# Altium PCB hellen1-72.PcbDoc (part 2 of 3)
Units mm, origin at the board's own origin, x right, y up, seen from the top; angles counter-clockwise.
Board outline 154 x 159 mm, 2 copper layers (Top Layer, Bottom Layer), stack 1.171 mm thick; 138 components, 222 nets, 1020 pads, 542 vias.
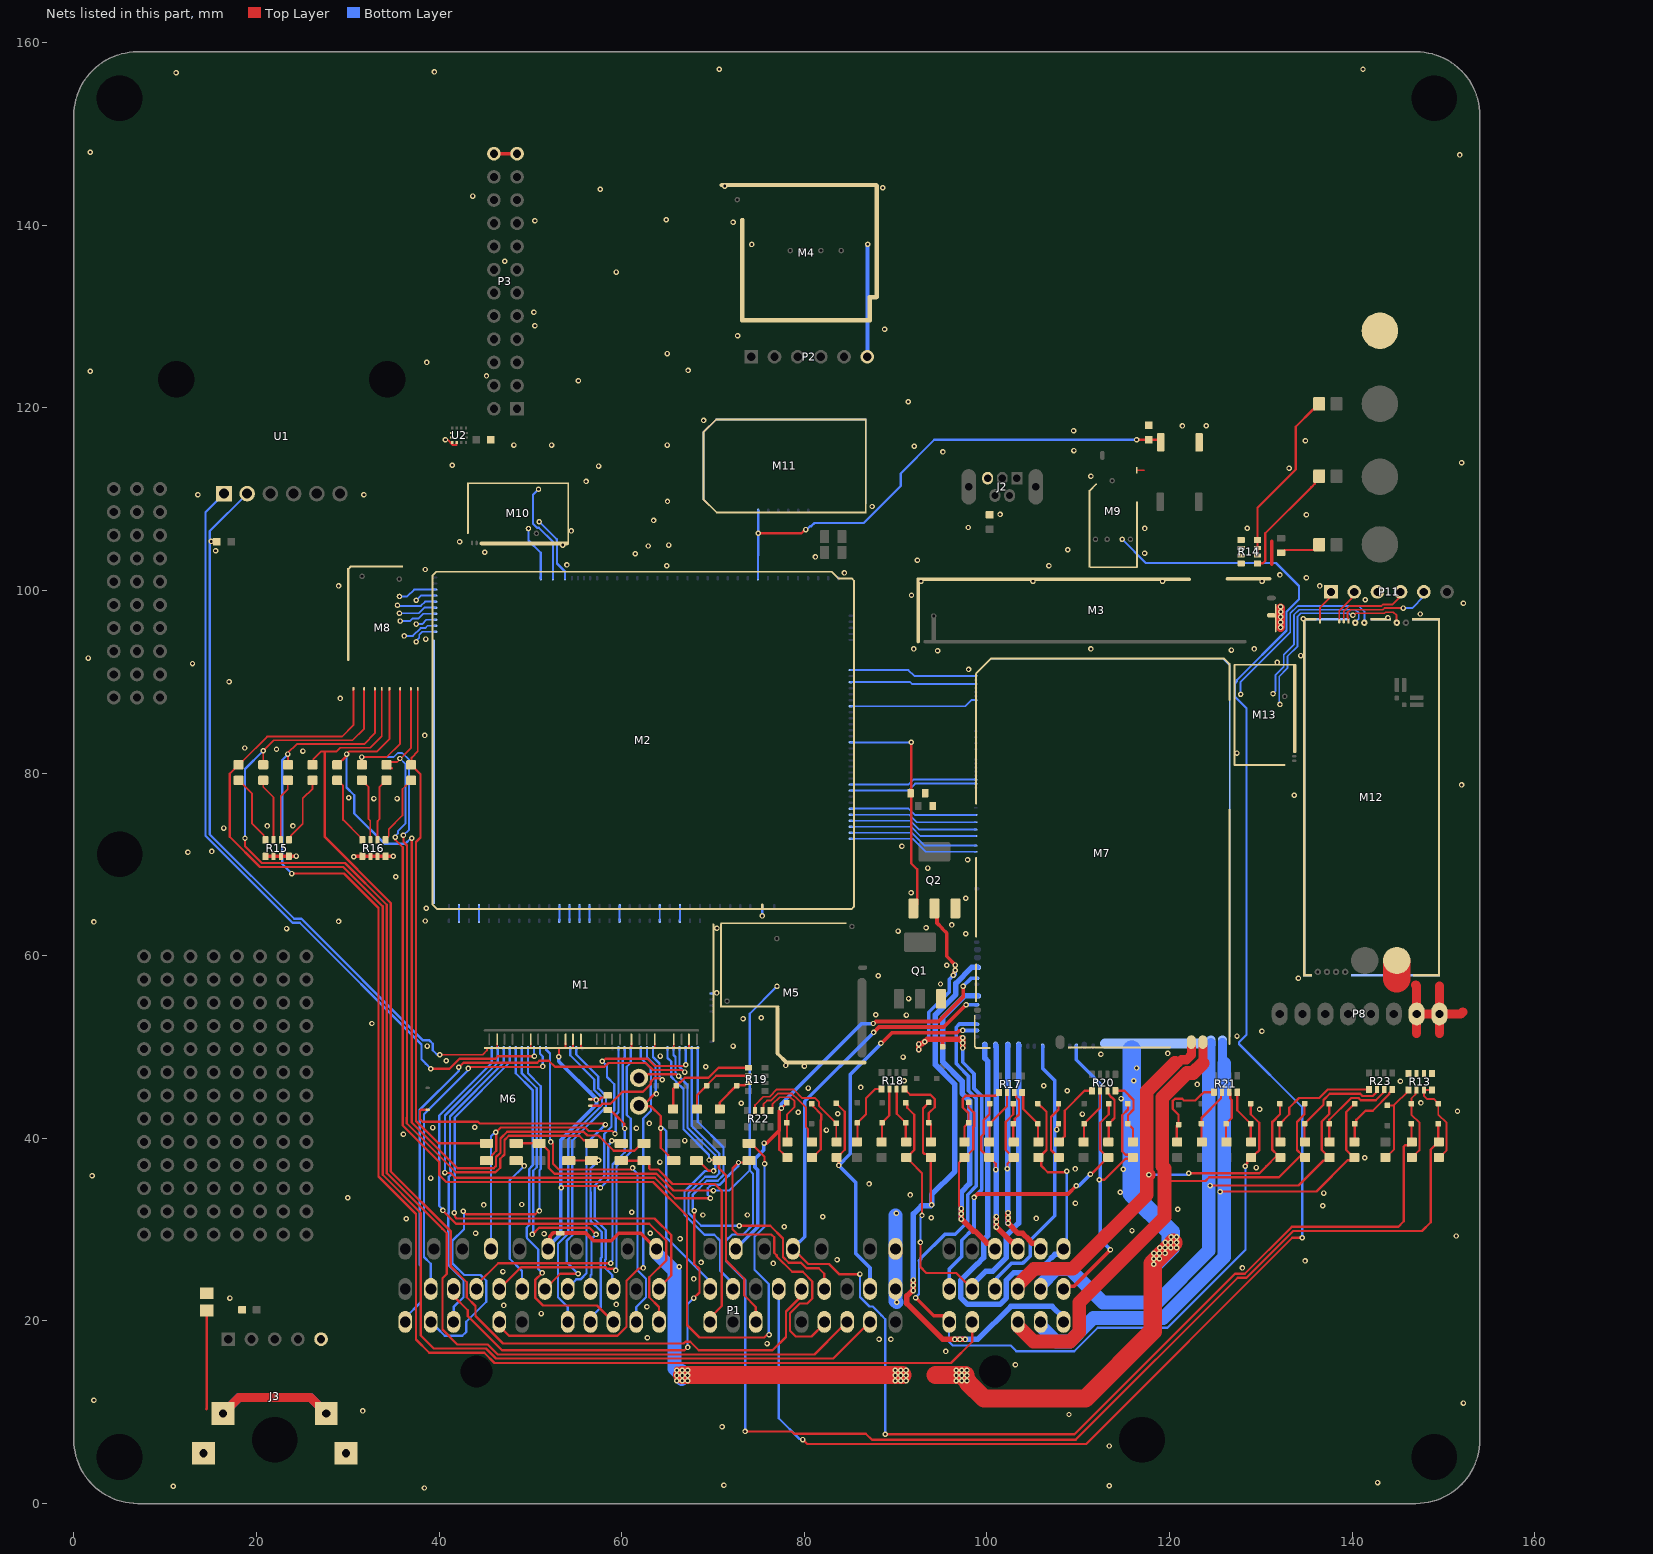
[diagram p2: the nets of this part, all layers, seen from the top]

## Via types
v1: diameter 0.6, hole 0.3, Top Layer to Bottom Layer, tented both sides, 542 vias

## Nets (pads, with @x,y where several pads share a name; then routed paths per layer and width w, separated by ;. In a path a pad name is that pad's centre, name@x,y a point inside that pad or via, vN(x,y) a via of type N, cw(c..) or ccw(c..) an arc to the next point about the centre after c; other vN are vias at no path point) (continued)
GND: C1.2 C2.1 C4.2 C5.1 J1.1 J2.5 J3.5 L1.1 M1.E1 M2.S2 M3.G M4.G M4.V2 M4.V3 M5.S1 M7.G M7.S3 M8.G M9.E1 M9.S1 M10.E1 M11.G M12.E6 M12.G M13.E1 P1.3A P1.3B P1.4A P2.6 P3.23 P3.24 P7.1 P8.1 P8.2 P11.3 Q1.3 Q2.3 R13.5 R13.6 R13.7 R13.8 R14.5 R14.6 R14.7 R14.8 R15.5 R15.6 R15.7 R15.8 R16.5 R16.6 R16.7 R16.8 R27.2 R28.2 S2.2 U2.5 U2.6 U2.7 U2.8 | length 183.4
  Top Layer w0.2: v1(40.7,116.5) 40.94,116.5 41.52,115.92 41.92,115.92 U2.8@41.92,116.17 ; M9.E1@116.42,113.175 117.25,113.175
  Top Layer w0.4: R15.5@20.999,70.886 R15.6@21.874,70.886 R15.7@22.674,70.886 R15.8@23.549,70.886 23.574,70.911 v1(24.374,70.911) ; v1(30.674,70.836) 30.724,70.886 R16.5@31.599,70.886 R16.6@32.474,70.886 R16.7@33.274,70.886 R16.8@34.149,70.886 v1(34.974,70.886) v1@34.999,70.861 ; P3.24@46.01,147.84 P3.23@48.55,147.84 ; J1.1@53.475,29.625 56.075,29.625 56.5,29.2 56.5,29.185 56.91,28.775 58.85,28.775 59.675,29.6 62.1,29.6 63.14,28.56 63.292,28.56 63.8,28.052 P1.4A@63.8,27.9 ; 131.2,102.875 131.2,105.373 ; v1@132.2,98.225 132.2,97.669 v1@132.21,97.659
  Top Layer w0.6: v1@66.05,13.575 v1(66.05,14.025) v1(66.05,14.6) v1@66.05,14.725 ; v1@66.65,13.575 v1(66.65,14.025) 66.65,14.075 v1(66.65,14.6) v1@66.65,14.725 ; v1@67.225,13.575 v1(67.225,14.025) 67.225,14.075 v1(67.225,14.6) v1@67.225,14.725 ; v1@91.05,13.575 v1@91.05,14.725 ; v1@96.65,13.575 v1(96.65,14.025) 96.65,14.075 v1(96.65,14.6) v1@96.65,14.725 ; v1@97.25,13.575 v1(97.25,14.025) 97.25,14.075 v1(97.25,14.6) v1@97.25,14.725 ; v1@97.825,13.575 v1(97.825,14.025) v1(97.825,14.6) v1@97.825,14.725
  Top Layer w1: v1@132.15,95.975 132.15,96.975 v1@132.15,98.075 ; 146.975,56.8 147.075,56.7 P8.2@147.075,53.625 ; 147.075,51.5 P8.2@147.075,53.625 ; 149.575,51.5 P8.1@149.575,53.625 ; 149.575,56.7 P8.1@149.575,53.625 ; 152.125,53.85 151.9,53.625 P8.1@149.575,53.625 ; P8.2@147.075,53.625 P8.1@149.575,53.625
  Top Layer w1.5: P1.3A@90,27.45 P1.3A@90,27.9
  Top Layer w2: v1@66.65,14.075 67.225,14.075 89.975,14.075 v1@90.75,14.075 ; 94.4,14.075 96.65,14.075 97.25,14.075 v1@97.675,14.075 ; v1(97.25,14.025) v1(97.825,13.45) 97.95,13.325 97.95,13.228 99.678,11.5 110.801,11.5 118.175,18.874 118.175,26.3 v1@120.425,28.55 ; M12.E6@144.9,59.475 M12.E6@145.091,59.284
  Top Layer w3: 144.891,57.459 M12.E6@144.891,59.309
  Bottom Layer w0.25: M1.E1@69.85,55.858 70.358,55.858 v1(70.425,55.925) ; v1(75.4,64.35) 75.405,64.355 M2.S2@75.405,65.323
  Bottom Layer w0.4: P2.6@86.927,125.6 M4.V3@86.927,137.909
  Bottom Layer w1.5: P1.4A@63.8,27.9 63.8,27.45 65.8,25.45 65.8,14.775 v1@66.05,14.525 ; v1@66.6,13.637 v1@66.6,14.525 ; P1.3A@90,27.45 P1.3B@90,23.5 90,22.176 90.126,22.05 v1(90.126,22.045) ; P1.3A@90,27.9 v1@90,31.549
  Bottom Layer w2: 115.875,49.725 115.875,44.35 115.875,33.975 120.15,29.7 v1(120.15,28.6) 120.15,28.075 v1(118.275,26.2)
  other v1: 38.4,1.7 10.9,1.9 113.4,1.95 71.2,2 142.8,2.3 113.4,6.3 71,8.4 109,9.75 31.661,10.144 152.2,11 2.2,11.3 66.05,13.45 66.65,13.45 67.225,13.45 89.975,13.45 90.575,13.45 91.15,13.45 96.65,13.45 97.25,13.45 89.975,14.025 90.575,14.025 91.15,14.025 89.975,14.6 90.575,14.6 91.15,14.6 103.136,15.196 95.505,16.658 75.925,17.525 88.2,18 89.5,18 62.825,18.15 51.2,20.8 62.775,21.55 47.1,21.7 59.4,21.8 17.1,22.5 67.9,24.6 47,25.4 128,25.8 66.3,25.925 76.6,26.3 68.7,26.4 134.85,26.575 83.6,26.7 118.275,26.8 118.9,26.8 118.3,27.4 118.9,27.4 119.525,27.4 118.925,28 119.525,28 120.15,28 120.775,28 119.55,28.6 120.775,28.6 66.4,29 120.175,29.2 120.775,29.2 151.425,29.3 51.5,29.55 44,29.6 63.125,29.6 115.9,29.9 77.8,30.3 36.4,31.2 105.425,31.225 93.9,31.3 82.025,31.4 68.9,31.6 73.775,31.6 90.1,31.8 61.1,31.9 120.9,32.225 136.8,32.6 44.9,32.7 49.075,32.75 109.7,32.9 30,33.5 91.625,33.8 136.9,34 114.6,34.1 87.1,35 39.1,35.65 2,35.9 114.95,36.625 109.675,36.65 129.5,36.8 64.2,37.4 141.4,37.875 66.925,39.75 36.1,40.45 82.431,40.899 61.625,41.1 39.325,41.175 43.9,41.2 63.025,41.625 110.475,42.65 83.675,42.7 79.35,42.85 151.55,42.975 129.875,43.175 73.104,43.827 147.55,43.875 114.7,44.35 108.8,45.2 80.45,45.5 86.2,45.575 106.225,45.75 123.05,45.9 145.3,46.25 90.95,46.3 116.1,46.3 116.4,47.7 69.225,47.85 80.025,47.9 77.975,47.975 40.8,48.5 90.825,48.9 64.228,49.002 112.5,49.2 119.825,49.3 38.7,50.1 72.2,50.1 127.4,51.2 130.125,51.725 32.65,52.575 73.3,53.1 75.3,53.2 91.2,53.5 87.825,53.525 91.429,55.303 94.925,56.9 134.125,57.525 88.1,57.8 95.6,58.95 97.7,62.4 90.275,62.7 23.3,62.975 70.44,63.02 93.35,63.075 96.15,63.375 2.2,63.7 29,63.75 38.5,63.8 38.6,65.2 97.7,66.3 91.7,66.9 35.275,68.65 93.525,69.6 97.894,70.504 12.5,71.325 15.1,71.425 90.7,72 16.425,73.975 21.199,74.211 23.999,74.211 32.874,77.211 35.399,77.211 30.099,77.311 133.675,77.575 152,78.7 127.4,82.2 25.099,82.411 22.199,82.611 18.725,82.75 38.425,84.125 29.175,88.175 17,90 98,91.35 13,92 131.8,92.125 1.59,92.6 134.375,92.875 94.6,93.4 126.795,93.475 92,93.6 111.4,93.6 129.3,93.6 38.55,94.675 132.175,95.95 132.175,96.525 134.65,96.9 143.925,97.025 132.175,97.1 147.475,97.425 132.185,97.659 132.175,98.225 152.2,98.6 141.45,98.975 91.75,99.475 29,100.5 136.45,100.5 135,101.4 132.1,101.7 84.4,101.925 38.5,102.3 64.95,102.7 106.8,102.7 54.015,102.801 92.4,103.3 81.225,103.675 61.5,104.025 117.275,104.075 45,104.2 15.525,104.35 108.875,104.45 62.921,104.872 53.55,104.975 65.175,104.975 42.25,105.35 54.475,106.525 117.3,106.8 128.531,106.805 97.975,106.9 63.5,107.675 135,108.3 101.45,108.325 87.425,109.2 65.025,109.75 13.6,110.5 31.775,110.5 56.1,111.95 111.4,112.5 133.1,113.4 57.475,113.625 41.454,113.719 152,114 95.189,115.171 109.543,115.323 92.049,115.802 48.2,115.925 52.325,115.925 65,115.925 134.9,116.4 109.5,117.5 121.425,118.025 124.025,118.05 68.975,118.625 91.4,120.675 55.275,122.975 45.2,123.5 1.8,124 67.275,124.1 38.65,124.975 65,125.95 72.7,127.9 88.8,128.6 50.5,129 50.4,130.475 59.4,134.875 47.186,136.055 72.2,140.325 50.5,140.5 64.9,140.6 43.7,143.2 57.65,143.95 88.6,144.1 71.3,144.3 151.8,147.7 1.8,148 11.2,156.7 39.5,156.8 70.699,157.092 141.2,157.1
GNDA: C3.2 J1.2 M1.J2 M1.J4 M1.J8 M1.J12 M1.J13 M1.J14 M1.J19 M1.J22 M1.J23 M1.J25 M1.N2 M2.S32 M6.E2 P1.4O R6.2 R12.1 U1.2 | length 140.3
  Top Layer w0.2: v1(40.075,49.15) 44.775,49.15 45.245,49.62 45.245,49.877 45.269,49.9 M1.J2@56.72,49.9 ; M1.J2@46.37,49.925 M1.J4@46.37,50.45 ; M1.J2@50.045,49.925 M1.J8@50.045,50.45 ; v1(53.125,48.925) M1.J2@53.125,49.9 ; M1.J2@53.87,49.925 M1.J12@53.87,50.45 ; M1.J2@54.67,49.925 M1.J13@54.67,50.45 ; M1.J2@55.545,49.925 M1.J14@55.545,50.45 ; M1.J2@61.07,49.925 M1.J19@61.07,50.45 ; M1.J2@63.62,49.925 M1.J22@63.62,50.45 ; M1.J2@65.7,49.925 M1.J23@65.7,50.45 ; M1.J2@67.375,49.925 M1.J25@67.375,50.45
  Top Layer w0.25: v1(53.375,34.575) 53.47,34.575 53.67,34.775 57.387,34.775 57.583,34.578 v1(57.678,34.578) ; M6.E2@56.575,44.275 57.1,44.275 57.15,44.225 v1@57.475,44.225 ; v1@57.425,44.2 57.52,44.2 57.795,44.475 58.25,44.475 R12.1@58.475,44.7 ; v1(58.916,39.741) 58.958,39.7 59.7,39.7 R6.2@59.95,39.45
  Top Layer w0.4: v1(15.05,105.375) 15.063,105.362 15.647,105.362 C3.2@15.66,105.35 ; P1.4O@51.95,27.9 52.158,28.108 52.158,29.218 52.2,29.26 52.2,29.325 52.55,29.675 J1.2@52.825,29.675
  Bottom Layer w0.2: M1.N2@42.18,63.827 42.183,63.83 42.183,65.12 ; 42.185,65.123 42.183,65.12 ; M2.S32@42.185,65.423 42.183,65.42 42.183,65.12
  Bottom Layer w0.25: U1.2@18.99,110.6 14.875,106.485 14.875,73.314 24.139,64.05 24.925,64.05 38.25,50.725 38.959,50.725 39.325,50.359 39.325,49.65 39.758,49.217 40.008,49.217 v1(40.075,49.15) ; v1(57.678,34.578) 58.55,35.45 58.55,39.281 58.916,39.648 v1(58.916,39.741)
  Bottom Layer w0.4: P1.4O@51.95,27.9 51.95,28.148 53.35,29.548 53.35,39.854 57.241,43.745 57.241,44.283 v1@57.25,44.292 ; v1(53.125,48.925) 53.125,48.425 v1@57.25,44.3
  other v1: 57.225,44.2
IAT: M1.N15 M2.S19 | length 1.6
  Bottom Layer w0.2: M1.N15@56.483,63.83 M2.S19@56.483,65.42
IDLE: M2.E18 Q2.1 R28.1 | length 25.3
  Top Layer w0.25: v1@91.7,83.4 91.725,83.375 v1(91.725,83.365) 91.725,70.105 92.375,69.455 92.375,65.6 Q2.1@91.95,65.175
  Bottom Layer w0.2: M2.E18@85.102,83.365 v1@91.713,83.365
IGN1: M2.W1 M8.V8 | length 2.8
  Bottom Layer w0.2: M8.V8@37.5,94.375 37.5,94.483 37.833,94.817 37.833,95.158 38.155,95.48 M2.W1@39.575,95.48
IGN2: M2.W2 M8.V7 | length 3.8
  Bottom Layer w0.2: M8.V7@36.19,95.025 37.134,95.025 37.989,95.88 38.48,95.88 38.74,96.14 M2.W2@39.575,96.14
IGN3: M2.W3 M8.V6 | length 2.3
  Bottom Layer w0.2: M8.V6@37.5,96.325 38.15,96.325 38.625,96.8 M2.W3@39.575,96.8
IGN4: M2.W4 M8.V5 | length 4.2
  Bottom Layer w0.2: M8.V5@35.74,96.65 36.8,96.65 37.1,96.95 37.775,96.95 38.285,97.46 M2.W4@39.575,97.46
IGN5: M2.W5 M8.V4 | length 4.2
  Bottom Layer w0.2: M8.V4@35.665,97.5 37.759,97.5 38.379,98.12 M2.W5@39.575,98.12
IGN6: M2.W6 M8.V3 | length 4.3
  Bottom Layer w0.2: M8.V3@35.45,98.375 35.509,98.316 38.009,98.316 38.474,98.78 M2.W6@39.575,98.78
IGN7: M2.W7 M8.V2 | length 2.3
  Bottom Layer w0.2: M8.V2@37.5,98.925 38.015,99.44 M2.W7@39.575,99.44
IGN8: M2.W8 M8.V1 | length 4.2
  Bottom Layer w0.2: M8.V1@35.665,99.35 36.525,99.35 37.275,100.1 M2.W8@39.575,100.1
IN_AC_PRESS: M1.S17 P1.4F | length 39.9
  Top Layer w0.25: v1(52.25,39.6) 52.475,39.375 52.475,37.225 53.125,36.575 61.025,36.575 v1(61.2,36.75)
  Bottom Layer w0.25: M1.S17@51.715,49.865 51.715,49.716 52.15,49.281 52.15,39.907 52.183,39.874 52.183,39.667 v1(52.25,39.6) ; v1@61.2,36.675 61.745,36.13 61.745,25.55 62.675,24.62 62.675,22.605 61.6,21.53 P1.4F@61.6,19.9
IN_AFR: M1.S25 P1.3L R1.1 | length 84.9
  Top Layer w0.25: v1(40.65,36.25) 40.7,36.2 41.275,36.2 41.788,35.687 52.451,35.687 52.464,35.675 63.636,35.675 65.886,33.425 v1(69.725,33.425) ; R1.1@73.95,37.55 73.75,37.35 v1(72.8,37.35) 72.15,36.7 72.15,30.05 72.725,29.475 76.4,29.475 76.705,29.17 76.705,27.47 76.975,27.2 76.975,27.078 78.678,25.375 79.825,25.375 80.875,24.325 80.875,22.45 80.338,21.913 79.513,21.913 78.45,20.85 78.45,18.925 79.075,18.3 80.8,18.3 82.2,19.7 P1.3L@82.2,19.9
  Bottom Layer w0.25: v1(40.65,36.25) 40.65,42.489 46.435,48.274 M1.S25@46.435,49.865 ; v1(69.725,33.425) 69.725,33.52 69.425,33.82 69.425,34.534 69.791,34.9 70.175,34.9 70.707,34.9 71.72,35.913 72.761,36.955 72.761,37.311 v1(72.8,37.35)
IN_BRAKE: M1.S23 P1.4B | length 52
  Top Layer w0.25: v1(41.677,31.852) 41.744,31.785 41.744,31.406 41.925,31.225 63.6,31.225 65.45,29.375 65.45,25 64.1,23.65 P1.4B@64.1,23.5
  Bottom Layer w0.25: v1(41.677,31.852) 41.725,31.9 41.725,42.291 47.755,48.321 M1.S23@47.755,49.865
IN_CAM: M1.S5 P1.3V P9.1 R3.1 | length 40.6
  Top Layer w0.25: P9.1@61.27,46.525 61.772,47.027 61.84,46.96 62.834,46.96 62.902,47.027 65.924,47.027 66.137,46.815 v1(66.231,46.815) ; R3.1@68.2,37.55 68.425,37.55 69.525,36.45 70.05,36.45 v1(70.075,36.425)
  Bottom Layer w0.25: M1.S5@65.689,49.865 65.689,49.111 65.899,48.901 65.899,47.147 v1(66.231,46.815) 67.219,45.827 67.219,41.167 70.25,38.136 70.25,36.695 v1@70.075,36.52 ; v1(70.075,36.425) 69.139,36.425 66.875,34.161 66.875,31.639 68.539,29.975 69.089,29.425 70.145,29.425 70.775,28.795 70.775,25.525 72.2,24.1 P1.3V@72.2,23.5
IN_CLT: M1.S15 P1.4P | length 32.7
  Top Layer w0.25: P1.4P@51.6,23.5 51.6,23.612 52.177,24.189 52.289,24.189 53.275,25.175 v1(55.225,25.175)
  Bottom Layer w0.25: M1.S15@55.021,49.865 55.021,49.179 57.453,46.747 57.453,45.492 58.3,44.645 58.3,43.425 54.6,39.725 54.6,29.39 54.005,28.795 54.005,26.395 v1(55.225,25.175)
IN_CLUTCH: M1.S22 P1.4I | length 39.1
  Top Layer w0.25: v1(51.3,25.25) 50.525,24.475 50.525,22.575 51.4,21.7 57.3,21.7 58.411,20.589 58.523,20.589 59.1,20.012 P1.4I@59.1,19.9
  Bottom Layer w0.25: M1.S22@48.415,49.865 48.415,47.124 50.252,45.286 50.252,37.019 49.875,36.641 49.875,30.5 49.6,30.225 49.6,29.216 49.643,29.173 49.643,29.047 50.875,27.815 50.875,25.675 v1(51.3,25.25)
IN_CRANK: M1.S8 P1.3Y P10.1 R4.1 | length 36.5
  Top Layer w0.25: v1@63.814,44.966 63.719,44.966 62.328,43.575 P10.1@61.895,43.575 61.973,43.497 63.22,43.497 64.275,42.442 v1(64.275,41.1) 64.275,38.975 65.1,38.15 65.1,37.925 65.475,37.55 R4.1@65.7,37.55
  Bottom Layer w0.25: M1.S8@62.768,49.865 62.768,48.867 63.7,47.935 63.7,46.518 63.747,46.47 63.747,44.933 v1(63.814,44.866) ; v1(64.275,41.1) 64.423,41.248 64.875,40.795 64.875,29.15 69.352,24.673 69.352,24.636 69.7,24.288 P1.3Y@69.7,23.5
IN_EGR: M1.S20 P1.4AE | length 49.1
  Top Layer w0.25: v1@42.688,31.975 42.988,31.675 50.53,31.675 50.905,32.05 v1(51,32.05)
  Bottom Layer w0.25: P1.4AE@39.1,19.9 39.1,19.788 39.677,19.211 39.789,19.211 40.625,18.375 42.55,18.375 42.975,18.8 42.975,19.9 45.175,22.1 45.175,24.395 44.545,25.025 42.761,25.025 41.485,26.301 41.485,28.81 42.725,30.05 42.725,31.938 v1@42.6,32.062 ; M1.S20@49.735,49.865 49.735,47.115 51.152,45.698 51.152,36.646 51,36.493 v1(51,32.05)
  other v1: 42.663,32
IN_FTP_PPS: M1.S24 P1.4AB | length 33.7
  Bottom Layer w0.25: P1.4AB@41.6,19.9 41.6,21.53 42.675,22.605 42.675,24.475 41.025,26.125 41.025,31.816 41.052,31.843 41.052,35.768 41.275,35.991 41.275,36.509 41.2,36.584 41.2,42.402 47.095,48.297 M1.S24@47.095,49.865
IN_FUEL_LEVEL: M1.S18 P1.4AD | length 36.6
  Top Layer w0.25: v1(43.2,47.65) 43.295,47.65 43.445,47.8 51.043,47.8 51.051,47.808 51.283,47.808 v1(51.35,47.875)
  Bottom Layer w0.25: P1.4AD@39.1,23.5 39.1,26.26 38.355,27.005 38.355,42.643 43.163,47.45 v1@43.2,47.45 ; M1.S18@51.055,49.865 51.055,49.254 51.35,48.959 v1(51.35,47.875)
IN_IAT: M1.S16 P1.4N | length 33.9
  Bottom Layer w0.25: P1.4N@54.1,19.9 54.1,21.53 53.025,22.605 53.025,28.452 54.15,29.577 54.15,39.911 57.85,43.611 57.85,44.459 57.003,45.305 57.003,46.447 54.361,49.089 M1.S16@54.361,49.865
IN_KNOCK_RAW: M6.W1 P1.4M | length 42.1
  Top Layer w0.25: M6.W1@38.678,43.125 38.057,43.125 37.925,42.993 37.925,42.096 38.196,41.825 44.274,41.825 44.474,41.625 58.1,41.625 v1(58.225,41.5)
  Bottom Layer w0.25: P1.4M@54.1,23.63 55.02,24.55 55.484,24.55 56.155,25.221 56.155,33.945 56.153,33.946 56.153,35.21 56.153,39.428 v1(58.225,41.5)
IN_MAF: M1.S11 P1.4X R12.2 | length 43.5
  Top Layer w0.25: P1.4X@44.1,23.5 44.1,23.95 46.475,26.325 v1@58.7,26.325 ; R12.2@58.475,43.1 58.525,43.15 58.81,43.15 58.81,43.071 59.319,42.562 60.283,41.598 60.283,41.142 v1(60.35,41.075)
  Bottom Layer w0.25: v1@58.7,26.332 59,26.632 59,27.364 59,37.141 60.333,38.474 v1@60.333,41.075 ; M1.S11@60.327,49.865 60.327,48.877 60.117,48.667 60.117,41.382 60.35,41.149 v1(60.35,41.075)
  other v1: 58.8,26.325
IN_MAP2: M1.S12 P1.4U R11.1 | length 39.7
  Top Layer w0.25: R11.1@45.2,37.55 45.425,37.55 45.8,37.925 45.8,38.15 46.275,38.625 46.275,40.73 46.374,40.829 46.404,40.829 46.75,41.175 56.023,41.175 56.398,40.8 58.968,40.8 59.268,40.5 v1(59.275,40.5)
  Bottom Layer w0.25: P1.4U@45.69,27.9 45.69,40.226 46.125,40.661 v1@46.125,40.675 ; v1(59.275,40.5) 59.342,40.567 59.342,40.799 59.35,40.807 59.35,42.566 59.667,42.883 M1.S12@59.667,49.865
  other v1: 46.225,40.675
IN_MAP3: M1.S19 U1.1 | length 87.3
  Top Layer w0.25: v1(39.1,47.625) 41.141,47.625 42.241,48.725 46.173,48.725 46.423,48.975 v1(50.45,48.975)
  Bottom Layer w0.25: U1.1@16.45,110.6 14.425,108.575 14.425,73.127 23.952,63.6 24.739,63.6 38.075,50.264 38.075,48.65 38.561,48.164 v1(39.1,47.625) ; M1.S19@50.395,49.865 50.395,49.03 v1(50.45,48.975)
IN_NEUTRAL: M1.S3 P1.4H | length 38.8
  Top Layer w0.25: v1(57.875,48.45) 57.97,48.45 58.225,48.705 62.845,48.705 63.623,47.927 66.876,47.927 v1(67.02,48.071)
  Bottom Layer w0.25: v1(57.875,48.45) 58.4,47.925 58.4,46.725 59.2,45.925 59.2,43.052 58.9,42.752 58.9,41.275 58.1,40.475 58.1,35.884 57.053,34.837 57.053,34.319 57.055,34.317 57.055,31.14 58.275,29.92 58.275,26.784 58.175,26.684 58.175,25.816 58.966,25.025 58.966,23.634 P1.4H@59.1,23.5 ; M1.S3@67.009,49.865 67.009,48.688 67.025,48.672 v1@67.025,48.071
IN_O2S: M1.S9 P1.4W | length 47.6
  Top Layer w0.25: P1.4W@46.6,19.9 46.6,19.45 47.675,18.375 59.545,18.375 60.525,19.355 60.525,24.395 61.864,25.734 62.311,25.734 v1(62.378,25.801)
  Bottom Layer w0.25: M1.S9@62.108,49.865 62.108,48.792 63.189,47.711 63.189,47.205 63.22,47.174 63.22,45.878 63.189,45.847 63.189,44.155 63.22,44.124 63.22,43.026 62.365,42.171 62.365,25.815 v1(62.378,25.801)
IN_O2S2: M1.S1 P1.4AA | length 66.4
  Top Layer w0.25: P1.4AA@41.6,23.5 41.6,22.725 43.15,21.175 43.15,20.525 46.9,16.775 66.896,16.775 v1@67.298,17.177 ; v1(67.9,22.5) 68.525,23.125 68.525,25.691 67.954,26.262 v1(67.954,32.079)
  Bottom Layer w0.25: v1@67.375,17.1 67.221,17.254 67.221,21.821 v1(67.9,22.5) ; v1(67.954,32.079) 67.954,32.174 67.775,32.354 67.775,33.789 69.336,35.35 70.52,35.35 71.15,35.98 71.15,39 68.329,41.821 M1.S1@68.329,49.865
  other v1: 67.25,17.1
IN_SENS2: M1.S2 P1.3K | length 41.9
  Top Layer w0.25: v1(72.875,30.425) 76.275,30.425 77.685,29.015 77.685,27.005 78.315,26.375 79.649,26.375 80.249,25.775 81.6,25.775 82.2,25.175 P1.3K@82.2,23.5
  Bottom Layer w0.25: M1.S2@67.669,49.865 67.669,41.354 70.7,38.323 70.7,37.35 70.7,36.684 70.7,36.166 70.334,35.8 69.15,35.8 67.325,33.975 67.325,31.825 68.725,30.425 v1(72.875,30.425)
IN_SENS4: M1.S4 P1.4AH | length 59.2
  Top Layer w0.25: v1(42.175,47.775) 42.675,48.275 50.75,48.275 50.975,48.5 52.03,48.5 52.705,47.825 58.134,47.825 58.564,48.255 62.645,48.255 63.423,47.477 66.596,47.477 66.821,47.252 v1(66.903,47.252)
  Bottom Layer w0.25: P1.4AH@36.3,19.9 36.3,20.35 38.025,22.075 38.025,26.003 37.905,26.123 37.905,43.141 42.175,47.411 v1(42.175,47.775) ; M1.S4@66.349,49.865 66.349,47.807 v1(66.903,47.252)
IN_STEERING: M1.S26 P1.4C | length 56.3
  Top Layer w0.25: v1(40.425,32.1) 40.425,32.075 41.85,30.65 63.02,30.65 64.875,28.795 64.875,26.625 63.025,24.775 63.025,22.605 64.1,21.53 P1.4C@64.1,19.9
  Bottom Layer w0.25: v1(40.425,32.1) 40.425,32.184 40.025,32.584 40.025,42.5 45.775,48.25 M1.S26@45.775,49.865
IN_TPS: M1.S10 P1.4V | length 39.3
  Top Layer w0.25: P1.4V@46.6,23.5 46.6,23.612 47.177,24.189 47.289,24.189 48.975,25.875 58.266,25.875 58.441,25.7 59.08,25.7 59.255,25.525 v1(59.35,25.525)
  Bottom Layer w0.25: v1(59.35,25.525) 59.417,25.592 59.417,25.799 59.45,25.832 59.45,27.55 59.45,36.955 60.987,38.492 60.987,42.13 60.567,42.55 60.567,47.85 60.987,48.27 M1.S10@60.987,49.865
IN_VIGN: D3.1 D9.1 M5.V3 R9.2 R10.2 | length 179.2
  Top Layer w0.25: R9.2@48.45,39.45 R10.2@50.95,39.45 51.175,39.45 52.025,38.6 52.025,36.75 52.65,36.125 63.823,36.125 65.673,34.275 v1(70.05,34.275) ; v1(73.525,7.9) 78.641,7.9 78.891,7.65 86.75,7.65 87.425,6.975 109.725,6.975 127.475,24.725 128.445,24.725 133.57,29.85 147.675,29.85 148.625,30.8 148.625,38.775 149.45,39.6 D9.1@149.5,39.6 149.45,39.65 D3.1@149.45,41.6
  Bottom Layer w0.25: v1(70.05,34.275) 71.8,34.275 74.025,36.5 ; v1(73.525,7.9) 73.525,24.475 71.425,26.575 71.425,28.795 72.104,29.474 73.324,29.474 74.4,30.55 74.4,36.125 74.025,36.5 ; M5.V3@77.018,56.643 74.025,53.65 74.025,36.5
IN_VSS: M1.S6 P1.3T R2.1 | length 34.7
  Top Layer w0.25: v1(69.575,37.625) R2.1@70.625,37.625 ; R2.1@70.7,37.55 R2.1@70.625,37.625 ; P1.3T@74.7,19.9 74.7,21.53 73.425,22.805 73.425,24.625 71.425,26.625 71.425,35.959 70.625,36.759 R2.1@70.625,37.625
  Bottom Layer w0.25: M1.S6@65.029,49.865 65.029,49.74 65.029,48.796 65.449,48.376 65.449,46.714 65.972,46.19 65.985,46.19 66.769,45.406 66.769,40.981 69.575,38.175 v1(69.575,37.625)
IN_VTCS: M1.S21 P1.4J | length 35.1
  Top Layer w0.25: v1(50.225,29.475) 50.95,30.2 56.475,30.2 v1(57.2,29.475)
  Bottom Layer w0.25: M1.S21@49.075,49.865 49.075,47.1 50.702,45.473 50.702,36.832 50.325,36.455 50.325,29.782 50.292,29.749 50.292,29.542 v1(50.225,29.475) ; P1.4J@56.6,23.5 56.6,24.989 56.7,25.089 56.7,28.975 v1(57.2,29.475)
INJ1: M2.E25 M7.W24 | length 13.9
  Bottom Layer w0.2: M2.E25@85.102,78.745 91.395,78.745 91.939,79.289 M7.W24@98.772,79.289
INJ2: M2.E26 M7.W23 | length 14
  Bottom Layer w0.2: M2.E26@85.102,78.085 91.385,78.085 92.149,78.849 M7.W23@98.772,78.849
INJ3: M2.E29 M7.W20 | length 14
  Bottom Layer w0.2: M2.E29@85.102,76.105 91.42,76.105 92.107,75.418 M7.W20@98.772,75.418
INJ4: M2.E30 M7.W19 | length 14
  Bottom Layer w0.2: M2.E30@85.102,75.445 91.514,75.445 92.341,74.618 M7.W19@98.772,74.618
INJ5: M2.E31 M7.W18 | length 14.1
  Bottom Layer w0.2: M2.E31@85.102,74.785 91.609,74.785 92.576,73.818 M7.W18@98.772,73.818
INJ6: M2.E32 M7.W17 | length 14.1
  Bottom Layer w0.2: M2.E32@85.102,74.125 91.703,74.125 92.714,73.114 M7.W17@98.772,73.114
INJ7: M2.E33 M7.W16 | length 14.3
  Bottom Layer w0.2: M2.E33@85.102,73.465 91.785,73.465 93.196,72.054 M7.W16@98.772,72.054
INJ8: M2.E34 M7.W15 | length 14.3
  Bottom Layer w0.2: M2.E34@85.102,72.805 91.879,72.805 93.291,71.394 M7.W15@98.772,71.394
KNOCK: M1.N22 M2.S12 | length 1.6
  Bottom Layer w0.2: M1.N22@64.182,63.83 M2.S12@64.182,65.42
KNOCK_FLT: M1.S7 M6.E3 | length 13.2
  Top Layer w0.25: M6.E3@56.575,43.575 57.684,43.575 57.884,43.775 58.775,43.775 59.025,44.025 59.029,44.025 59.26,44.256 59.26,44.26 60.1,45.1 62.35,45.1 63.175,45.925 63.175,46.174 63.578,46.577 64.183,46.577 64.358,46.402 v1(64.453,46.402)
  Bottom Layer w0.25: M1.S7@63.428,49.865 63.428,48.913 64.15,48.191 64.15,46.705 v1(64.453,46.402)
LIN: M9.V4 P1.3Q | length 181.5
  Top Layer w0.25: v1(79.85,7) 80.325,6.525 110.882,6.525 133.457,29.1 v1(134.55,29.1)
  Bottom Layer w0.25: P1.3Q@77.2,23.5 77.2,9.341 79.474,7.067 79.783,7.067 v1(79.85,7) ; M9.V4@114.825,105.6 117.411,103.014 131.67,103.014 134.2,100.484 134.2,99.05 132.81,97.66 132.81,95.611 127.375,90.176 127.375,90.025 127.175,89.825 127.175,88.366 127.541,88 128.429,87.112 128.429,51.345 127.61,50.526 127.61,50.34 134.55,43.4 v1(134.55,29.1)